# Altium PCB JP-LED.PcbDoc (part 1 of 2) (continued)
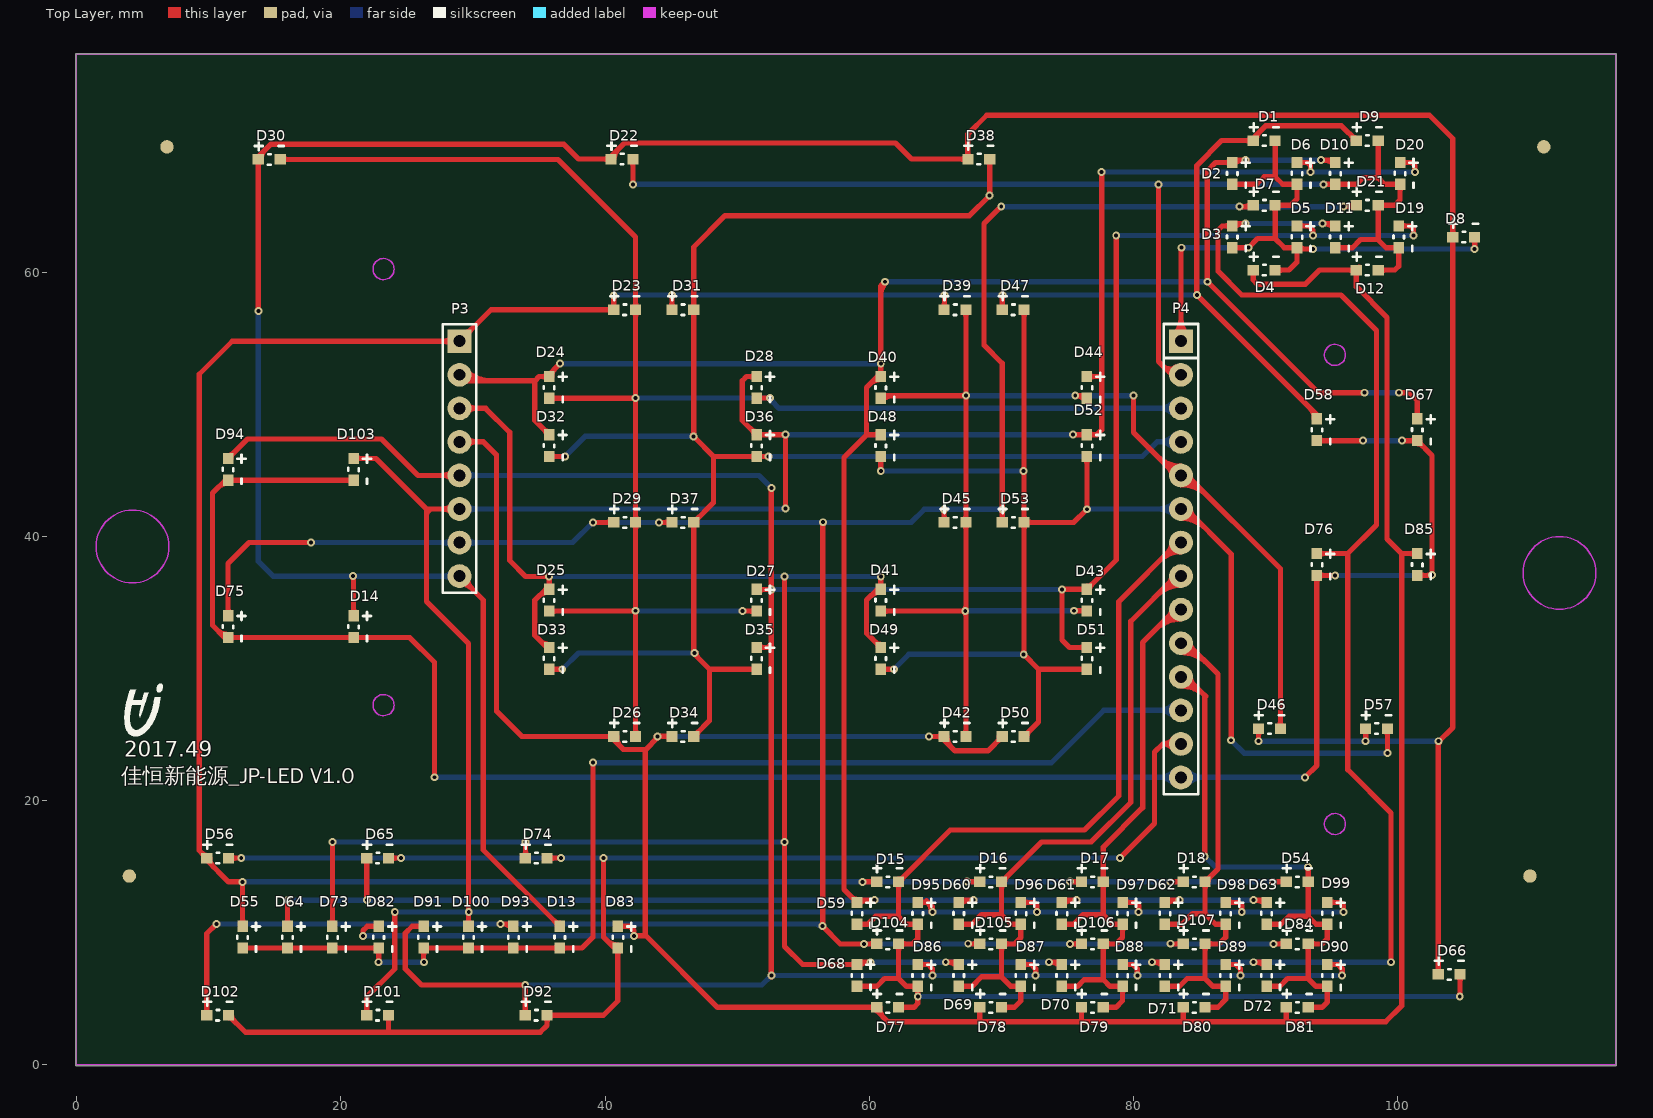
[diagram p0: Top Layer view]
## Nets (pads, with @x,y where several pads share a name; then routed paths per layer and width w, separated by ;. In a path a pad name is that pad's centre, name@x,y a point inside that pad or via, vN(x,y) a via of type N, cw(c..) or ccw(c..) an arc to the next point about the centre after c; other vN are vias at no path point) (continued)
  Bottom Layer w0.4: v1(36.763,29.952) 37.988,31.177 v1(46.788,31.177) ; v1@36.975,46.064 38.488,47.577 v1(46.688,47.577) ; v1(52.363,46.052) 60.888,46.052 79.488,46.052 ; 80.263,46.052 79.488,46.052 ; P4.4@83.588,47.157 81.768,47.157 80.663,46.052 79.488,46.052 ; 81.898,47.157 cw(c81.898,45.467) 83.093,46.662 ccw(c81.898,45.467) 81.898,47.157 ; 81.898,47.157 ccw(c81.898,48.847) 83.093,47.652 cw(c81.898,48.847) 81.898,47.157
GRID5: D39.2 D40.2 D41.2 D42.2 D43.2 D44.2 D45.2 D46.2 P4.5 | length 128.4
  Top Layer w0.4: D40.2@60.87,50.652 v1@67.288,50.652 ; 61.27,34.352 v1(67.263,34.352) ; 67.011,50.652 ccw(c67.011,50.98) v1@67.243,50.748 ; v1@67.192,34.281 cw(c66.898,33.987) 67.314,33.987 ; v1@67.192,34.422 ccw(c66.898,34.716) 67.314,34.716 ; D42.2@67.314,24.859 67.314,38.003 D45.2@67.314,41.059 67.314,50.577 67.314,57.003 D39.2@67.314,57.159 ; v1(75.488,34.377) D43.2@76.47,34.377 ; D44.2@76.27,50.652 v1(75.588,50.652) cw(c75.588,49.628) D44.2@76.326,50.338 ; D43.2@76.47,34.352 D43.2@76.663,34.352 ; v1@79.988,50.552 79.988,47.877 83.248,44.617 P4.5@83.588,44.617 84.048,44.617 91.114,37.552 91.114,32.377 ; D46.2@91.114,25.459 91.114,32.377 ; 91.114,32.652 91.114,32.377 ; 61.353,34.352 cw(c61.353,34.835) 61.011,34.493 ccw(c61.353,34.835) 61.353,34.352 ; 61.353,34.352 ccw(c61.353,33.869) 61.011,34.21 cw(c61.353,33.869) 61.353,34.352 ; 67.314,25.342 cw(c66.831,25.342) 67.172,25 ccw(c66.831,25.342) 67.314,25.342 ; 67.314,25.342 ccw(c67.797,25.342) 67.455,25 cw(c67.797,25.342) 67.314,25.342 ; 67.314,40.576 cw(c67.797,40.576) 67.455,40.917 ccw(c67.797,40.576) 67.314,40.576 ; 67.314,40.576 ccw(c66.831,40.576) 67.172,40.917 cw(c66.831,40.576) 67.314,40.576 ; 67.314,41.542 cw(c66.831,41.542) 67.172,41.2 ccw(c66.831,41.542) 67.314,41.542 ; 67.314,41.542 ccw(c67.797,41.542) 67.455,41.2 cw(c67.797,41.542) 67.314,41.542 ; 67.314,56.676 cw(c67.797,56.676) 67.455,57.017 ccw(c67.797,56.676) 67.314,56.676 ; 67.314,56.676 ccw(c66.831,56.676) 67.172,57.017 cw(c66.831,56.676) 67.314,56.676 ; 91.114,25.942 cw(c90.631,25.942) 90.972,25.6 ccw(c90.631,25.942) 91.114,25.942 ; 91.114,25.942 ccw(c91.597,25.942) 91.255,25.6 cw(c91.597,25.942) 91.114,25.942 ; D40.2@61.011,50.335 cw(c61.775,49.571) 61.775,50.652 ccw(c61.775,49.571) D40.2@61.011,50.335 ; 75.986,34.377 cw(c75.986,33.893) 76.329,34.235 ccw(c75.986,33.893) 75.986,34.377 ; 75.988,34.377 ccw(c75.988,34.858) 76.329,34.518 cw(c75.988,34.858) 75.988,34.377 ; 81.813,46.053 ccw(c83.588,47.828) 83.588,45.317 cw(c83.588,47.828) 81.813,46.053 ; 82.496,45.37 ccw(c83.588,46.462) 83.588,44.917 cw(c83.588,46.462) 82.496,45.37 ; 82.634,45.232 cw(c82.019,44.617) 82.888,44.617 ccw(c82.019,44.617) 82.634,45.232 ; P4.5@83.588,43.917 cw(c83.588,41.117) 85.568,43.097 ccw(c83.588,41.117) P4.5@83.588,43.917 ; P4.5@83.588,44.317 cw(c83.588,42.482) 84.886,43.78 ccw(c83.588,42.482) P4.5@83.588,44.317 ; P4.5@84.288,44.617 ccw(c84.868,44.617) 84.458,44.207 cw(c84.868,44.617) P4.5@84.288,44.617
  Bottom Layer w0.4: v1@67.263,34.377 v1(75.488,34.377) ; v1@67.314,50.652 v1(75.588,50.652) v1(79.988,50.652) ; v1@67.333,34.281 cw(c67.566,34.049) 67.566,34.377 ; v1@67.384,50.748 ccw(c67.617,50.98) 67.617,50.652
  other v1: 67.314,50.677
GRID6: D47.2 D48.2 D49.2 D50.2 D51.2 D52.2 D53.2 D57.2 P4.6 | length 139.8
  Top Layer w0.4: D49.2@60.87,29.952 v1(61.863,29.952) ; v1(60.87,44.959) D48.2@60.87,46.052 ; D50.2@71.714,24.859 72.814,25.959 72.814,29.952 ; v1@71.714,31.052 72.814,29.952 ; v1@71.714,31.077 71.714,40.803 D53.2@71.97,41.059 ; D47.2@71.714,57.159 D53.2@71.714,41.059 D53.2@71.97,41.059 ; D51.2@76.47,29.952 72.814,29.952 ; D52.2@76.47,46.052 v1(76.47,42.059) 75.47,41.059 D53.2@71.97,41.059 ; P4.6@83.588,42.077 83.988,42.077 87.388,38.677 v1(87.388,24.577) ; v1(99.214,23.603) D57.2@99.214,25.459 ; 60.87,45.544 cw(c61.353,45.544) 61.011,45.885 ccw(c61.353,45.544) 60.87,45.544 ; 60.87,45.544 ccw(c60.387,45.544) 60.729,45.885 cw(c60.387,45.544) 60.87,45.544 ; 61.353,29.952 cw(c61.353,30.435) 61.011,30.093 ccw(c61.353,30.435) 61.353,29.952 ; 61.353,29.952 ccw(c61.353,29.469) 61.011,29.81 cw(c61.353,29.469) 61.353,29.952 ; 71.714,40.576 cw(c72.197,40.576) 71.855,40.917 ccw(c72.197,40.576) 71.714,40.576 ; 71.714,40.576 ccw(c71.231,40.576) 71.572,40.917 cw(c71.231,40.576) 71.714,40.576 ; 71.714,41.542 cw(c71.231,41.542) 71.572,41.2 ccw(c71.231,41.542) 71.714,41.542 ; 71.714,41.542 ccw(c72.197,41.542) 71.855,41.2 cw(c72.197,41.542) 71.714,41.542 ; 71.714,56.676 cw(c72.197,56.676) 71.855,57.017 ccw(c72.197,56.676) 71.714,56.676 ; 71.714,56.676 ccw(c71.231,56.676) 71.572,57.017 cw(c71.231,56.676) 71.714,56.676 ; 72.222,41.059 cw(c72.222,41.542) 71.88,41.2 ccw(c72.222,41.542) 72.222,41.059 ; 72.222,41.059 ccw(c72.222,40.576) 71.88,40.917 cw(c72.222,40.576) 72.222,41.059 ; 75.987,29.952 cw(c75.987,29.469) 76.329,29.81 ccw(c75.987,29.469) 75.987,29.952 ; 75.987,29.952 ccw(c75.987,30.435) 76.329,30.093 cw(c75.987,30.435) 75.987,29.952 ; 76.47,45.544 cw(c76.953,45.544) 76.611,45.885 ccw(c76.953,45.544) 76.47,45.544 ; 76.47,45.544 ccw(c75.987,45.544) 76.329,45.885 cw(c75.987,45.544) 76.47,45.544 ; 99.214,24.976 cw(c99.697,24.976) 99.355,25.317 ccw(c99.697,24.976) 99.214,24.976 ; 99.214,24.976 ccw(c98.731,24.976) 99.072,25.317 cw(c98.731,24.976) 99.214,24.976 ; v1@71.599,44.888 cw(c71.323,44.612) 71.714,44.612 ccw(c71.323,44.612) v1@71.599,44.888 ; v1@71.599,45.03 ccw(c71.323,45.306) 71.714,45.306 cw(c71.323,45.306) v1@71.599,45.03 ; v1@71.618,31.148 ccw(c71.385,31.38) 71.714,31.38 cw(c71.385,31.38) v1@71.618,31.148 ; D50.2@71.739,25.059 ccw(c71.739,25.481) 72.037,25.183 cw(c71.739,25.481) D50.2@71.739,25.059 ; D50.2@71.939,24.859 cw(c72.482,24.859) 72.098,25.243 ccw(c72.482,24.859) D50.2@71.939,24.859 ; P4.6@83.588,41.377 cw(c83.588,38.722) 85.466,40.599 ccw(c83.588,38.722) P4.6@83.588,41.377 ; P4.6@83.588,41.777 cw(c83.588,40.087) 84.783,41.282 ccw(c83.588,40.087) P4.6@83.588,41.777 ; P4.6@84.288,42.077 ccw(c85.012,42.077) 84.5,41.565 cw(c85.012,42.077) P4.6@84.288,42.077
  Bottom Layer w0.4: v1(60.87,44.959) v1(71.67,44.959) ; v1(61.863,29.952) 62.988,31.077 v1(71.688,31.077) ; v1@76.47,42.077 P4.6@83.488,42.077 ; v1(87.388,24.577) 88.363,23.603 ; 88.463,23.603 v1(99.214,23.603) ; 81.898,42.077 cw(c81.898,40.387) 83.093,41.582 ccw(c81.898,40.387) 81.898,42.077 ; 81.898,42.077 ccw(c81.898,43.767) 83.093,42.572 cw(c81.898,43.767) 81.898,42.077
GRID7: D15.2 D59.2 D66.2 D68.2 D77.2 D86.2 D95.2 D104.2 P4.7 | length 130.5
  Top Layer w0.4: D68.2@59.07,5.952 60.563,5.952 61.163,6.552 62.214,6.552 ; D59.2@59.07,10.652 59.863,10.652 60.463,11.252 62.214,11.252 ; D77.2@62.214,4.359 63.37,4.359 63.67,4.659 v1(63.67,5.177) D86.2@63.67,5.952 62.814,5.952 62.214,6.552 ; D15.2@62.27,13.859 D15.2@62.214,13.859 ; P4.7@83.588,39.537 83.348,39.537 78.888,35.077 78.888,20.377 76.288,17.777 66.132,17.777 D15.2@62.214,13.859 ; v1@104.714,5.177 D66.2@104.714,6.859 ; 59.553,5.952 cw(c59.553,6.435) 59.211,6.093 ccw(c59.553,6.435) 59.553,5.952 ; 59.553,5.952 ccw(c59.553,5.469) 59.211,5.81 cw(c59.553,5.469) 59.553,5.952 ; 59.553,10.652 cw(c59.553,11.135) 59.211,10.793 ccw(c59.553,11.135) 59.553,10.652 ; 59.553,10.652 ccw(c59.553,10.169) 59.211,10.51 cw(c59.553,10.169) 59.553,10.652 ; 62.214,6.552 D104.2@62.214,9.159 63.27,9.159 63.67,9.559 D95.2@63.67,10.652 62.814,10.652 62.214,11.252 ; 62.214,8.676 cw(c62.697,8.676) 62.355,9.017 ccw(c62.697,8.676) 62.214,8.676 ; 62.214,8.676 ccw(c61.731,8.676) 62.072,9.017 cw(c61.731,8.676) 62.214,8.676 ; 62.214,11.252 D15.2@62.214,13.859 ; 62.214,13.376 cw(c62.697,13.376) 62.355,13.717 ccw(c62.697,13.376) 62.214,13.376 ; 62.214,13.376 ccw(c61.731,13.376) 62.072,13.717 cw(c61.731,13.376) 62.214,13.376 ; 62.722,4.359 cw(c62.722,4.842) 62.38,4.5 ccw(c62.722,4.842) 62.722,4.359 ; 62.722,4.359 ccw(c62.722,3.876) 62.38,4.217 cw(c62.722,3.876) 62.722,4.359 ; 62.722,9.159 cw(c62.722,9.642) 62.38,9.3 ccw(c62.722,9.642) 62.722,9.159 ; 62.722,9.159 ccw(c62.722,8.676) 62.38,9.017 cw(c62.722,8.676) 62.722,9.159 ; 63.187,5.952 cw(c63.187,5.469) 63.529,5.81 ccw(c63.187,5.469) 63.187,5.952 ; 63.187,5.952 ccw(c63.187,6.435) 63.529,6.093 cw(c63.187,6.435) 63.187,5.952 ; 63.187,10.652 cw(c63.187,10.169) 63.529,10.51 ccw(c63.187,10.169) 63.187,10.652 ; 63.187,10.652 ccw(c63.187,11.135) 63.529,10.793 cw(c63.187,11.135) 63.187,10.652 ; v1@63.67,5.444 cw(c64.153,5.444) 63.811,5.785 ccw(c64.153,5.444) v1@63.67,5.444 ; v1@63.67,5.444 ccw(c63.187,5.444) 63.529,5.785 cw(c63.187,5.444) v1@63.67,5.444 ; 63.67,10.144 cw(c64.153,10.144) 63.811,10.485 ccw(c64.153,10.144) 63.67,10.144 ; 63.67,10.144 ccw(c63.187,10.144) 63.529,10.485 cw(c63.187,10.144) 63.67,10.144 ; 104.714,6.376 cw(c105.197,6.376) 104.855,6.717 ccw(c105.197,6.376) 104.714,6.376 ; 104.714,6.376 ccw(c104.231,6.376) 104.572,6.717 cw(c104.231,6.376) 104.714,6.376 ; D15.2@62.239,14.059 ccw(c62.239,14.481) 62.537,14.183 cw(c62.239,14.481) D15.2@62.239,14.059 ; D15.2@62.439,13.859 cw(c62.982,13.859) 62.598,14.243 ccw(c62.982,13.859) D15.2@62.439,13.859 ; 81.984,38.173 cw(c83.588,36.568) 83.588,38.837 ccw(c83.588,36.568) 81.984,38.173 ; 82.563,38.752 ccw(c81.778,39.537) 82.888,39.537 cw(c81.778,39.537) 82.563,38.752 ; 82.666,38.855 cw(c83.588,37.934) 83.588,39.237 ccw(c83.588,37.934) 82.666,38.855 ; v1@104.618,5.248 ccw(c104.385,5.48) 104.714,5.48 cw(c104.385,5.48) v1@104.618,5.248
  Bottom Layer w0.4: v1(63.67,5.177) v1(104.688,5.177)
GRID8: D16.2 D60.2 D69.2 D78.2 D87.2 D96.2 D105.2 P4.8 | length 76.8
  Top Layer w0.4: D69.2@66.77,5.952 67.763,5.952 68.488,6.677 70.014,6.677 ; D60.2@66.77,10.652 67.763,10.652 68.488,11.377 69.988,11.377 70.014,11.352 ; D78.2@70.014,4.359 70.97,4.359 71.47,4.859 D87.2@71.47,5.952 70.714,5.952 70.014,6.652 D105.2@70.014,9.159 70.97,9.159 71.47,9.659 D96.2@71.47,10.652 70.714,10.652 70.014,11.352 ; P4.8@83.588,36.997 83.208,36.997 79.788,33.577 79.788,19.877 76.788,16.877 73.032,16.877 D16.2@70.014,13.859 70.014,11.352 ; 67.253,5.952 cw(c67.253,6.435) 66.911,6.093 ccw(c67.253,6.435) 67.253,5.952 ; 67.253,5.952 ccw(c67.253,5.469) 66.911,5.81 cw(c67.253,5.469) 67.253,5.952 ; 67.253,10.652 cw(c67.253,11.135) 66.911,10.793 ccw(c67.253,11.135) 67.253,10.652 ; 67.253,10.652 ccw(c67.253,10.169) 66.911,10.51 cw(c67.253,10.169) 67.253,10.652 ; 70.014,8.676 cw(c70.497,8.676) 70.155,9.017 ccw(c70.497,8.676) 70.014,8.676 ; 70.014,8.676 ccw(c69.531,8.676) 69.872,9.017 cw(c69.531,8.676) 70.014,8.676 ; 70.014,13.376 cw(c70.497,13.376) 70.155,13.717 ccw(c70.497,13.376) 70.014,13.376 ; 70.014,13.376 ccw(c69.531,13.376) 69.872,13.717 cw(c69.531,13.376) 70.014,13.376 ; 70.522,4.359 cw(c70.522,4.842) 70.18,4.5 ccw(c70.522,4.842) 70.522,4.359 ; 70.522,4.359 ccw(c70.522,3.876) 70.18,4.217 cw(c70.522,3.876) 70.522,4.359 ; 70.522,9.159 cw(c70.522,9.642) 70.18,9.3 ccw(c70.522,9.642) 70.522,9.159 ; 70.522,9.159 ccw(c70.522,8.676) 70.18,9.017 cw(c70.522,8.676) 70.522,9.159 ; 70.987,5.952 cw(c70.987,5.469) 71.329,5.81 ccw(c70.987,5.469) 70.987,5.952 ; 70.987,5.952 ccw(c70.987,6.435) 71.329,6.093 cw(c70.987,6.435) 70.987,5.952 ; 70.987,10.652 cw(c70.987,10.169) 71.329,10.51 ccw(c70.987,10.169) 70.987,10.652 ; 70.987,10.652 ccw(c70.987,11.135) 71.329,10.793 cw(c70.987,11.135) 70.987,10.652 ; 71.47,5.444 cw(c71.953,5.444) 71.611,5.785 ccw(c71.953,5.444) 71.47,5.444 ; 71.47,5.444 ccw(c70.987,5.444) 71.329,5.785 cw(c70.987,5.444) 71.47,5.444 ; 71.47,10.144 cw(c71.953,10.144) 71.611,10.485 ccw(c71.953,10.144) 71.47,10.144 ; 71.47,10.144 ccw(c70.987,10.144) 71.329,10.485 cw(c70.987,10.144) 71.47,10.144 ; D16.2@70.039,14.059 ccw(c70.039,14.481) 70.337,14.183 cw(c70.039,14.481) D16.2@70.039,14.059 ; D16.2@70.239,13.859 cw(c70.782,13.859) 70.398,14.243 ccw(c70.782,13.859) D16.2@70.239,13.859 ; 81.745,35.534 cw(c83.588,33.69) 83.588,36.297 ccw(c83.588,33.69) 81.745,35.534 ; 82.427,36.216 cw(c83.588,35.056) 83.588,36.697 ccw(c83.588,35.056) 82.427,36.216 ; 82.662,36.451 ccw(c82.116,36.997) 82.888,36.997 cw(c82.116,36.997) 82.662,36.451
GRID9: D17.2 D61.2 D70.2 D79.2 D88.2 D97.2 D106.2 P4.9 | length 66.7
  Top Layer w0.4: D70.2@74.57,5.952 75.763,5.952 76.263,6.452 77.714,6.452 ; D61.2@74.57,10.652 75.463,10.652 76.188,11.377 77.714,11.377 ; D79.2@77.714,4.359 78.67,4.359 79.17,4.859 D88.2@79.17,5.952 78.214,5.952 77.714,6.452 ; 81.676,32.965 cw(c83.588,31.053) P4.9@83.588,33.757 ; P4.9@83.588,34.457 83.168,34.457 80.688,31.977 80.688,19.477 77.714,16.503 D17.2@77.714,13.859 77.714,11.377 ; 75.053,5.952 cw(c75.053,6.435) 74.711,6.093 ccw(c75.053,6.435) 75.053,5.952 ; 75.053,5.952 ccw(c75.053,5.469) 74.711,5.81 cw(c75.053,5.469) 75.053,5.952 ; 75.053,10.652 cw(c75.053,11.135) 74.711,10.793 ccw(c75.053,11.135) 75.053,10.652 ; 75.053,10.652 ccw(c75.053,10.169) 74.711,10.51 cw(c75.053,10.169) 75.053,10.652 ; 77.714,6.452 D106.2@77.714,9.159 78.67,9.159 79.17,9.659 D97.2@79.17,10.652 78.414,10.652 77.714,11.352 77.714,11.377 ; 77.714,8.676 cw(c78.197,8.676) 77.855,9.017 ccw(c78.197,8.676) 77.714,8.676 ; 77.714,8.676 ccw(c77.231,8.676) 77.572,9.017 cw(c77.231,8.676) 77.714,8.676 ; 77.714,13.376 cw(c78.197,13.376) 77.855,13.717 ccw(c78.197,13.376) 77.714,13.376 ; 77.714,13.376 ccw(c77.231,13.376) 77.572,13.717 cw(c77.231,13.376) 77.714,13.376 ; 77.714,14.342 cw(c77.231,14.342) 77.572,14 ccw(c77.231,14.342) 77.714,14.342 ; 77.714,14.342 ccw(c78.197,14.342) 77.855,14 cw(c78.197,14.342) 77.714,14.342 ; 78.222,4.359 cw(c78.222,4.842) 77.88,4.5 ccw(c78.222,4.842) 78.222,4.359 ; 78.222,4.359 ccw(c78.222,3.876) 77.88,4.217 cw(c78.222,3.876) 78.222,4.359 ; 78.222,9.159 cw(c78.222,9.642) 77.88,9.3 ccw(c78.222,9.642) 78.222,9.159 ; 78.222,9.159 ccw(c78.222,8.676) 77.88,9.017 cw(c78.222,8.676) 78.222,9.159 ; 78.687,5.952 cw(c78.687,5.469) 79.029,5.81 ccw(c78.687,5.469) 78.687,5.952 ; 78.687,5.952 ccw(c78.687,6.435) 79.029,6.093 cw(c78.687,6.435) 78.687,5.952 ; 78.687,10.652 cw(c78.687,10.169) 79.029,10.51 ccw(c78.687,10.169) 78.687,10.652 ; 78.687,10.652 ccw(c78.687,11.135) 79.029,10.793 cw(c78.687,11.135) 78.687,10.652 ; 79.17,5.444 cw(c79.653,5.444) 79.311,5.785 ccw(c79.653,5.444) 79.17,5.444 ; 79.17,5.444 ccw(c78.687,5.444) 79.029,5.785 cw(c78.687,5.444) 79.17,5.444 ; 79.17,10.144 cw(c79.653,10.144) 79.311,10.485 ccw(c79.653,10.144) 79.17,10.144 ; 79.17,10.144 ccw(c78.687,10.144) 79.029,10.485 cw(c78.687,10.144) 79.17,10.144 ; 82.359,33.648 cw(c83.588,32.419) 83.588,34.157 ccw(c83.588,32.419) 82.359,33.648 ; 82.69,33.979 ccw(c82.212,34.457) 82.888,34.457 cw(c82.212,34.457) 82.69,33.979
GRID10: D18.2 D62.2 D71.2 D80.2 D89.2 D98.2 D107.2 P4.10 | length 65.7
  Top Layer w0.4: D71.2@82.37,5.952 83.463,5.952 84.063,6.552 85.414,6.552 ; D62.2@82.37,10.652 83.663,10.652 84.463,11.452 85.414,11.452 ; P4.10@83.588,31.917 84.048,31.917 86.388,29.577 86.388,14.833 D18.2@85.414,13.859 85.414,11.452 ; D80.2@85.414,4.359 86.37,4.359 86.97,4.959 D89.2@86.97,5.952 86.014,5.952 85.414,6.552 ; 82.853,5.952 cw(c82.853,6.435) 82.511,6.093 ccw(c82.853,6.435) 82.853,5.952 ; 82.853,5.952 ccw(c82.853,5.469) 82.511,5.81 cw(c82.853,5.469) 82.853,5.952 ; 82.853,10.652 cw(c82.853,11.135) 82.511,10.793 ccw(c82.853,11.135) 82.853,10.652 ; 82.853,10.652 ccw(c82.853,10.169) 82.511,10.51 cw(c82.853,10.169) 82.853,10.652 ; 85.414,6.552 D107.2@85.414,9.159 86.47,9.159 86.97,9.659 D98.2@86.97,10.652 86.214,10.652 85.414,11.452 ; 85.414,8.676 cw(c85.897,8.676) 85.555,9.017 ccw(c85.897,8.676) 85.414,8.676 ; 85.414,8.676 ccw(c84.931,8.676) 85.272,9.017 cw(c84.931,8.676) 85.414,8.676 ; 85.414,13.376 cw(c85.897,13.376) 85.555,13.717 ccw(c85.897,13.376) 85.414,13.376 ; 85.414,13.376 ccw(c84.931,13.376) 85.272,13.717 cw(c84.931,13.376) 85.414,13.376 ; 85.922,4.359 cw(c85.922,4.842) 85.58,4.5 ccw(c85.922,4.842) 85.922,4.359 ; 85.922,4.359 ccw(c85.922,3.876) 85.58,4.217 cw(c85.922,3.876) 85.922,4.359 ; 85.922,9.159 cw(c85.922,9.642) 85.58,9.3 ccw(c85.922,9.642) 85.922,9.159 ; 85.922,9.159 ccw(c85.922,8.676) 85.58,9.017 cw(c85.922,8.676) 85.922,9.159 ; 86.487,5.952 cw(c86.487,5.469) 86.829,5.81 ccw(c86.487,5.469) 86.487,5.952 ; 86.487,5.952 ccw(c86.487,6.435) 86.829,6.093 cw(c86.487,6.435) 86.487,5.952 ; 86.487,10.652 cw(c86.487,10.169) 86.829,10.51 ccw(c86.487,10.169) 86.487,10.652 ; 86.487,10.652 ccw(c86.487,11.135) 86.829,10.793 cw(c86.487,11.135) 86.487,10.652 ; 86.97,5.444 cw(c87.453,5.444) 87.111,5.785 ccw(c87.453,5.444) 86.97,5.444 ; 86.97,5.444 ccw(c86.487,5.444) 86.829,5.785 cw(c86.487,5.444) 86.97,5.444 ; 86.97,10.144 cw(c87.453,10.144) 87.111,10.485 ccw(c87.453,10.144) 86.97,10.144 ; 86.97,10.144 ccw(c86.487,10.144) 86.829,10.485 cw(c86.487,10.144) 86.97,10.144 ; P4.10@83.588,31.217 cw(c83.588,28.417) 85.568,30.397 ccw(c83.588,28.417) P4.10@83.588,31.217 ; P4.10@83.588,31.617 cw(c83.588,29.782) 84.886,31.08 ccw(c83.588,29.782) P4.10@83.588,31.617 ; P4.10@84.288,31.917 ccw(c84.868,31.917) 84.458,31.507 cw(c84.868,31.917) P4.10@84.288,31.917 ; D18.2@85.439,14.059 ccw(c85.439,14.481) 85.737,14.183 cw(c85.439,14.481) D18.2@85.439,14.059 ; D18.2@85.639,13.859 cw(c86.182,13.859) 85.798,14.243 ccw(c86.182,13.859) D18.2@85.639,13.859
GRID11: D54.2 D63.2 D72.2 D81.2 D84.2 D90.2 D99.2 P4.11 | length 67.8
  Top Layer w0.4: P4.11@83.588,28.677 cw(c83.588,26.022) 85.466,27.899 ; P4.11@83.588,29.377 83.988,29.377 85.388,27.977 v1(85.388,15.777) ; D72.2@90.07,5.952 91.063,5.952 91.663,6.552 93.214,6.552 ; D63.2@90.07,10.652 91.163,10.652 91.763,11.252 93.214,11.252 ; D81.2@93.214,4.359 94.27,4.359 94.67,4.759 D90.2@94.67,5.952 93.814,5.952 93.214,6.552 ; v1@93.214,14.977 D54.2@93.214,13.859 93.214,11.252 ; 90.553,5.952 cw(c90.553,6.435) 90.211,6.093 ccw(c90.553,6.435) 90.553,5.952 ; 90.553,5.952 ccw(c90.553,5.469) 90.211,5.81 cw(c90.553,5.469) 90.553,5.952 ; 90.553,10.652 cw(c90.553,11.135) 90.211,10.793 ccw(c90.553,11.135) 90.553,10.652 ; 90.553,10.652 ccw(c90.553,10.169) 90.211,10.51 cw(c90.553,10.169) 90.553,10.652 ; 93.214,6.552 D84.2@93.214,9.159 94.27,9.159 94.67,9.559 D99.2@94.67,10.652 93.814,10.652 93.214,11.252 ; 93.214,8.676 cw(c93.697,8.676) 93.355,9.017 ccw(c93.697,8.676) 93.214,8.676 ; 93.214,8.676 ccw(c92.731,8.676) 93.072,9.017 cw(c92.731,8.676) 93.214,8.676 ; 93.214,13.376 cw(c93.697,13.376) 93.355,13.717 ccw(c93.697,13.376) 93.214,13.376 ; 93.214,13.376 ccw(c92.731,13.376) 93.072,13.717 cw(c92.731,13.376) 93.214,13.376 ; 93.214,14.342 cw(c92.731,14.342) 93.072,14 ccw(c92.731,14.342) 93.214,14.342 ; 93.214,14.342 ccw(c93.697,14.342) 93.355,14 cw(c93.697,14.342) 93.214,14.342 ; 93.722,4.359 cw(c93.722,4.842) 93.38,4.5 ccw(c93.722,4.842) 93.722,4.359 ; 93.722,4.359 ccw(c93.722,3.876) 93.38,4.217 cw(c93.722,3.876) 93.722,4.359 ; 93.722,9.159 cw(c93.722,9.642) 93.38,9.3 ccw(c93.722,9.642) 93.722,9.159 ; 93.722,9.159 ccw(c93.722,8.676) 93.38,9.017 cw(c93.722,8.676) 93.722,9.159 ; 94.187,5.952 cw(c94.187,5.469) 94.529,5.81 ccw(c94.187,5.469) 94.187,5.952 ; 94.187,5.952 ccw(c94.187,6.435) 94.529,6.093 cw(c94.187,6.435) 94.187,5.952 ; 94.187,10.652 cw(c94.187,10.169) 94.529,10.51 ccw(c94.187,10.169) 94.187,10.652 ; 94.187,10.652 ccw(c94.187,11.135) 94.529,10.793 cw(c94.187,11.135) 94.187,10.652 ; 94.67,5.444 cw(c95.153,5.444) 94.811,5.785 ccw(c95.153,5.444) 94.67,5.444 ; 94.67,5.444 ccw(c94.187,5.444) 94.529,5.785 cw(c94.187,5.444) 94.67,5.444 ; 94.67,10.144 cw(c95.153,10.144) 94.811,10.485 ccw(c95.153,10.144) 94.67,10.144 ; 94.67,10.144 ccw(c94.187,10.144) 94.529,10.485 cw(c94.187,10.144) 94.67,10.144 ; P4.11@83.588,29.077 cw(c83.588,27.387) 84.783,28.582 ccw(c83.588,27.387) P4.11@83.588,29.077 ; P4.11@84.288,29.377 ccw(c85.012,29.377) 84.5,28.865 cw(c85.012,29.377) P4.11@84.288,29.377 ; v1@93.118,14.906 cw(c92.885,14.674) 93.214,14.674 ccw(c92.885,14.674) v1@93.118,14.906
  Bottom Layer w0.4: v1(85.388,15.777) 86.188,14.977 v1(93.188,14.977)
GRID12: D13.2 D55.2 D64.2 D73.2 D82.2 D91.2 D93.2 D100.2 P4.12 | length 118.8
  Top Layer w0.4: D55.2@12.57,8.852 D64.2@15.97,8.852 D73.2@19.37,8.852 D82.2@22.87,8.852 v1(22.87,7.777) ; v1@26.27,7.795 D91.2@26.27,8.852 D100.2@29.67,8.852 ; 28.663,8.852 D100.2@29.67,8.852 ; v1@39.088,22.777 39.088,9.677 38.263,8.852 D13.2@36.57,8.852 D93.2@33.07,8.852 D100.2@29.67,8.852 ; 13.053,8.852 cw(c13.053,9.335) 12.711,8.993 ccw(c13.053,9.335) 13.053,8.852 ; 13.053,8.852 ccw(c13.053,8.369) 12.711,8.71 cw(c13.053,8.369) 13.053,8.852 ; 15.487,8.852 cw(c15.487,8.369) 15.829,8.71 ccw(c15.487,8.369) 15.487,8.852 ; 15.487,8.852 ccw(c15.487,9.335) 15.829,8.993 cw(c15.487,9.335) 15.487,8.852 ; 16.453,8.852 cw(c16.453,9.335) 16.111,8.993 ccw(c16.453,9.335) 16.453,8.852 ; 16.453,8.852 ccw(c16.453,8.369) 16.111,8.71 cw(c16.453,8.369) 16.453,8.852 ; 18.887,8.852 cw(c18.887,8.369) 19.229,8.71 ccw(c18.887,8.369) 18.887,8.852 ; 18.887,8.852 ccw(c18.887,9.335) 19.229,8.993 cw(c18.887,9.335) 18.887,8.852 ; 19.853,8.852 cw(c19.853,9.335) 19.511,8.993 ccw(c19.853,9.335) 19.853,8.852 ; 19.853,8.852 ccw(c19.853,8.369) 19.511,8.71 cw(c19.853,8.369) 19.853,8.852 ; 22.387,8.852 cw(c22.387,8.369) 22.729,8.71 ccw(c22.387,8.369) 22.387,8.852 ; 22.387,8.852 ccw(c22.387,9.335) 22.729,8.993 cw(c22.387,9.335) 22.387,8.852 ; 22.87,8.344 cw(c23.353,8.344) 23.011,8.685 ccw(c23.353,8.344) 22.87,8.344 ; 22.87,8.344 ccw(c22.387,8.344) 22.729,8.685 cw(c22.387,8.344) 22.87,8.344 ; 26.27,8.344 cw(c26.753,8.344) 26.411,8.685 ccw(c26.753,8.344) 26.27,8.344 ; 26.27,8.344 ccw(c25.787,8.344) 26.129,8.685 cw(c25.787,8.344) 26.27,8.344 ; 26.753,8.852 cw(c26.753,9.335) 26.411,8.993 ccw(c26.753,9.335) 26.753,8.852 ; 26.753,8.852 ccw(c26.753,8.369) 26.411,8.71 cw(c26.753,8.369) 26.753,8.852 ; 29.187,8.852 cw(c29.187,8.369) D100.2@29.529,8.71 ; 29.187,8.852 ccw(c29.187,9.335) D100.2@29.529,8.993 ; 29.187,8.852 cw(c29.187,8.369) D100.2@29.529,8.71 ; 29.187,8.852 ccw(c29.187,9.335) D100.2@29.529,8.993 ; 29.187,8.852 ccw(c29.187,9.335) D100.2@29.529,8.993 ; 29.187,8.852 cw(c29.187,8.369) D100.2@29.529,8.71 ; 29.187,8.852 ccw(c29.187,9.335) D100.2@29.529,8.993 ; 29.187,8.852 cw(c29.187,8.369) D100.2@29.529,8.71 ; 30.153,8.852 cw(c30.153,9.335) 29.811,8.993 ccw(c30.153,9.335) 30.153,8.852 ; 30.153,8.852 ccw(c30.153,8.369) 29.811,8.71 cw(c30.153,8.369) 30.153,8.852 ; 32.587,8.852 cw(c32.587,8.369) 32.929,8.71 ccw(c32.587,8.369) 32.587,8.852 ; 32.587,8.852 ccw(c32.587,9.335) 32.929,8.993 cw(c32.587,9.335) 32.587,8.852 ; 33.553,8.852 cw(c33.553,9.335) 33.211,8.993 ccw(c33.553,9.335) 33.553,8.852 ; 33.553,8.852 ccw(c33.553,8.369) 33.211,8.71 cw(c33.553,8.369) 33.553,8.852 ; 36.087,8.852 cw(c36.087,8.369) 36.429,8.71 ccw(c36.087,8.369) 36.087,8.852 ; 36.087,8.852 ccw(c36.087,9.335) 36.429,8.993 cw(c36.087,9.335) 36.087,8.852 ; 37.053,8.852 cw(c37.053,9.335) 36.711,8.993 ccw(c37.053,9.335) 37.053,8.852 ; 37.053,8.852 ccw(c37.053,8.369) 36.711,8.71 cw(c37.053,8.369) 37.053,8.852
  Bottom Layer w0.4: v1(22.87,7.777) v1(26.288,7.777) ; v1(39.088,22.877) 73.788,22.877 77.748,26.837 P4.12@83.588,26.837 ; 81.898,26.837 cw(c81.898,25.147) 83.093,26.342 ccw(c81.898,25.147) 81.898,26.837 ; 81.898,26.837 ccw(c81.898,28.527) 83.093,27.332 cw(c81.898,28.527) 81.898,26.837